# KiCad board Smoothie2Standard.kicad_pcb
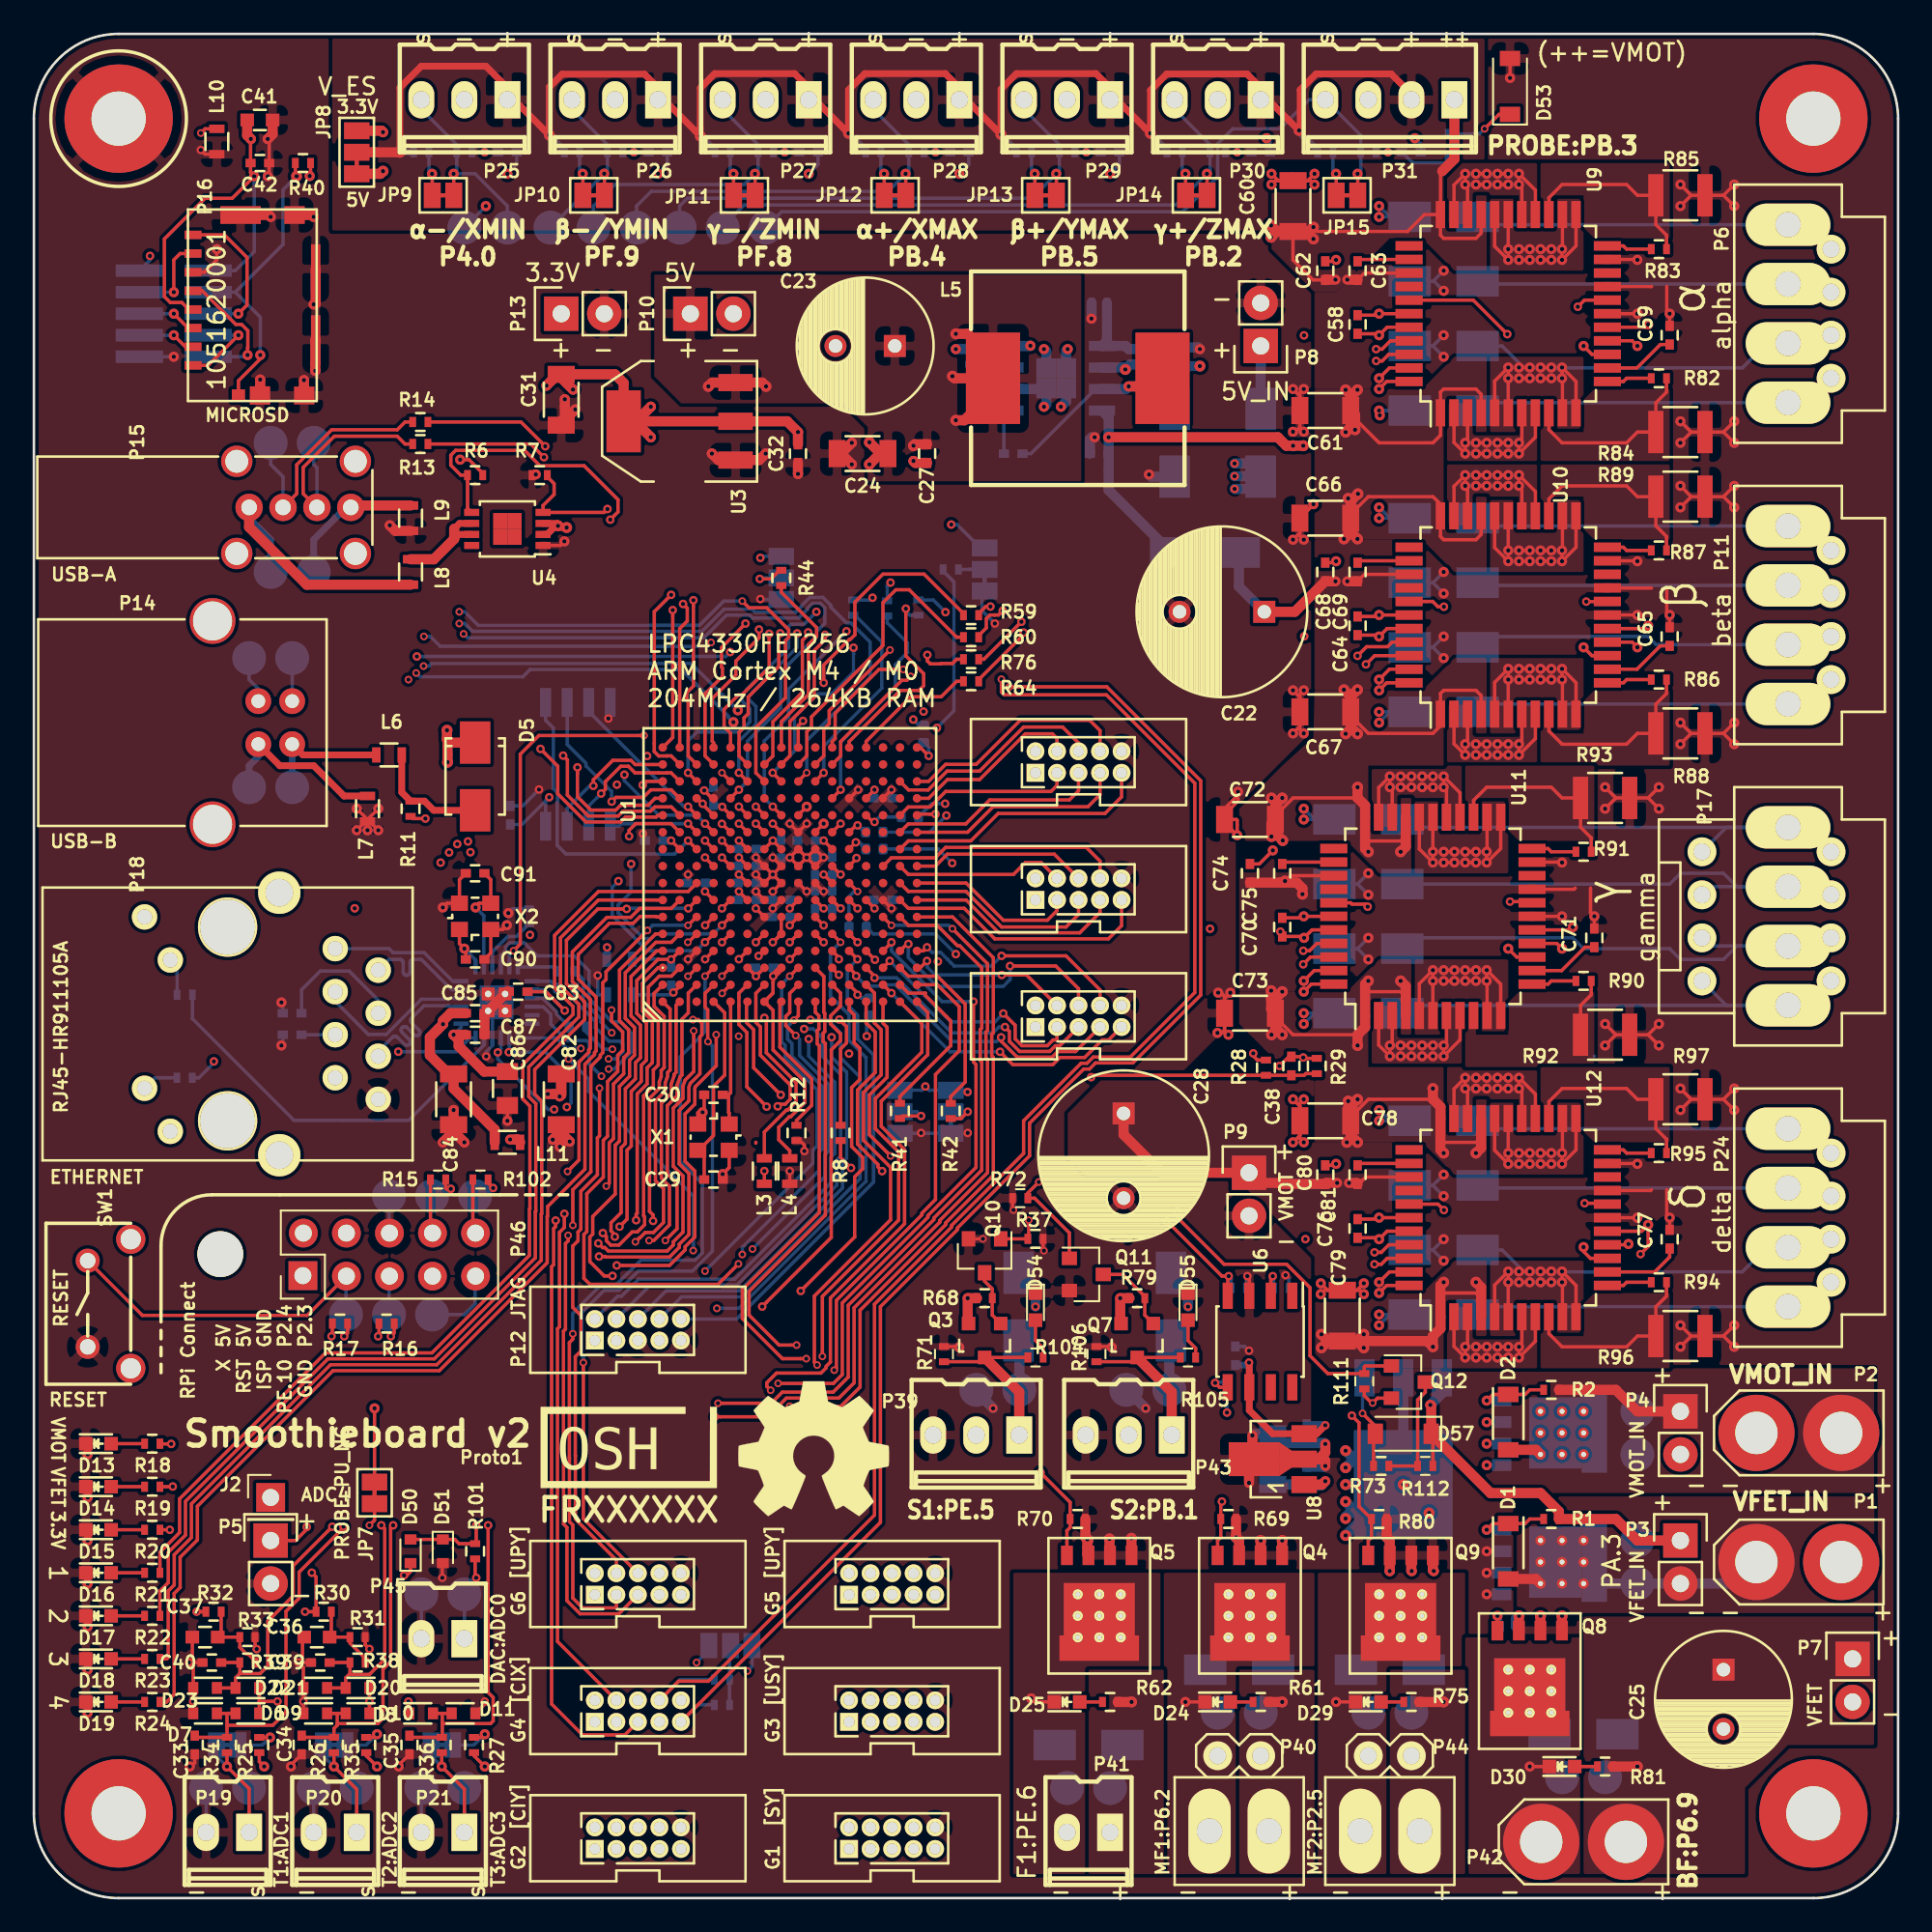
[diagram p0: board, top side]
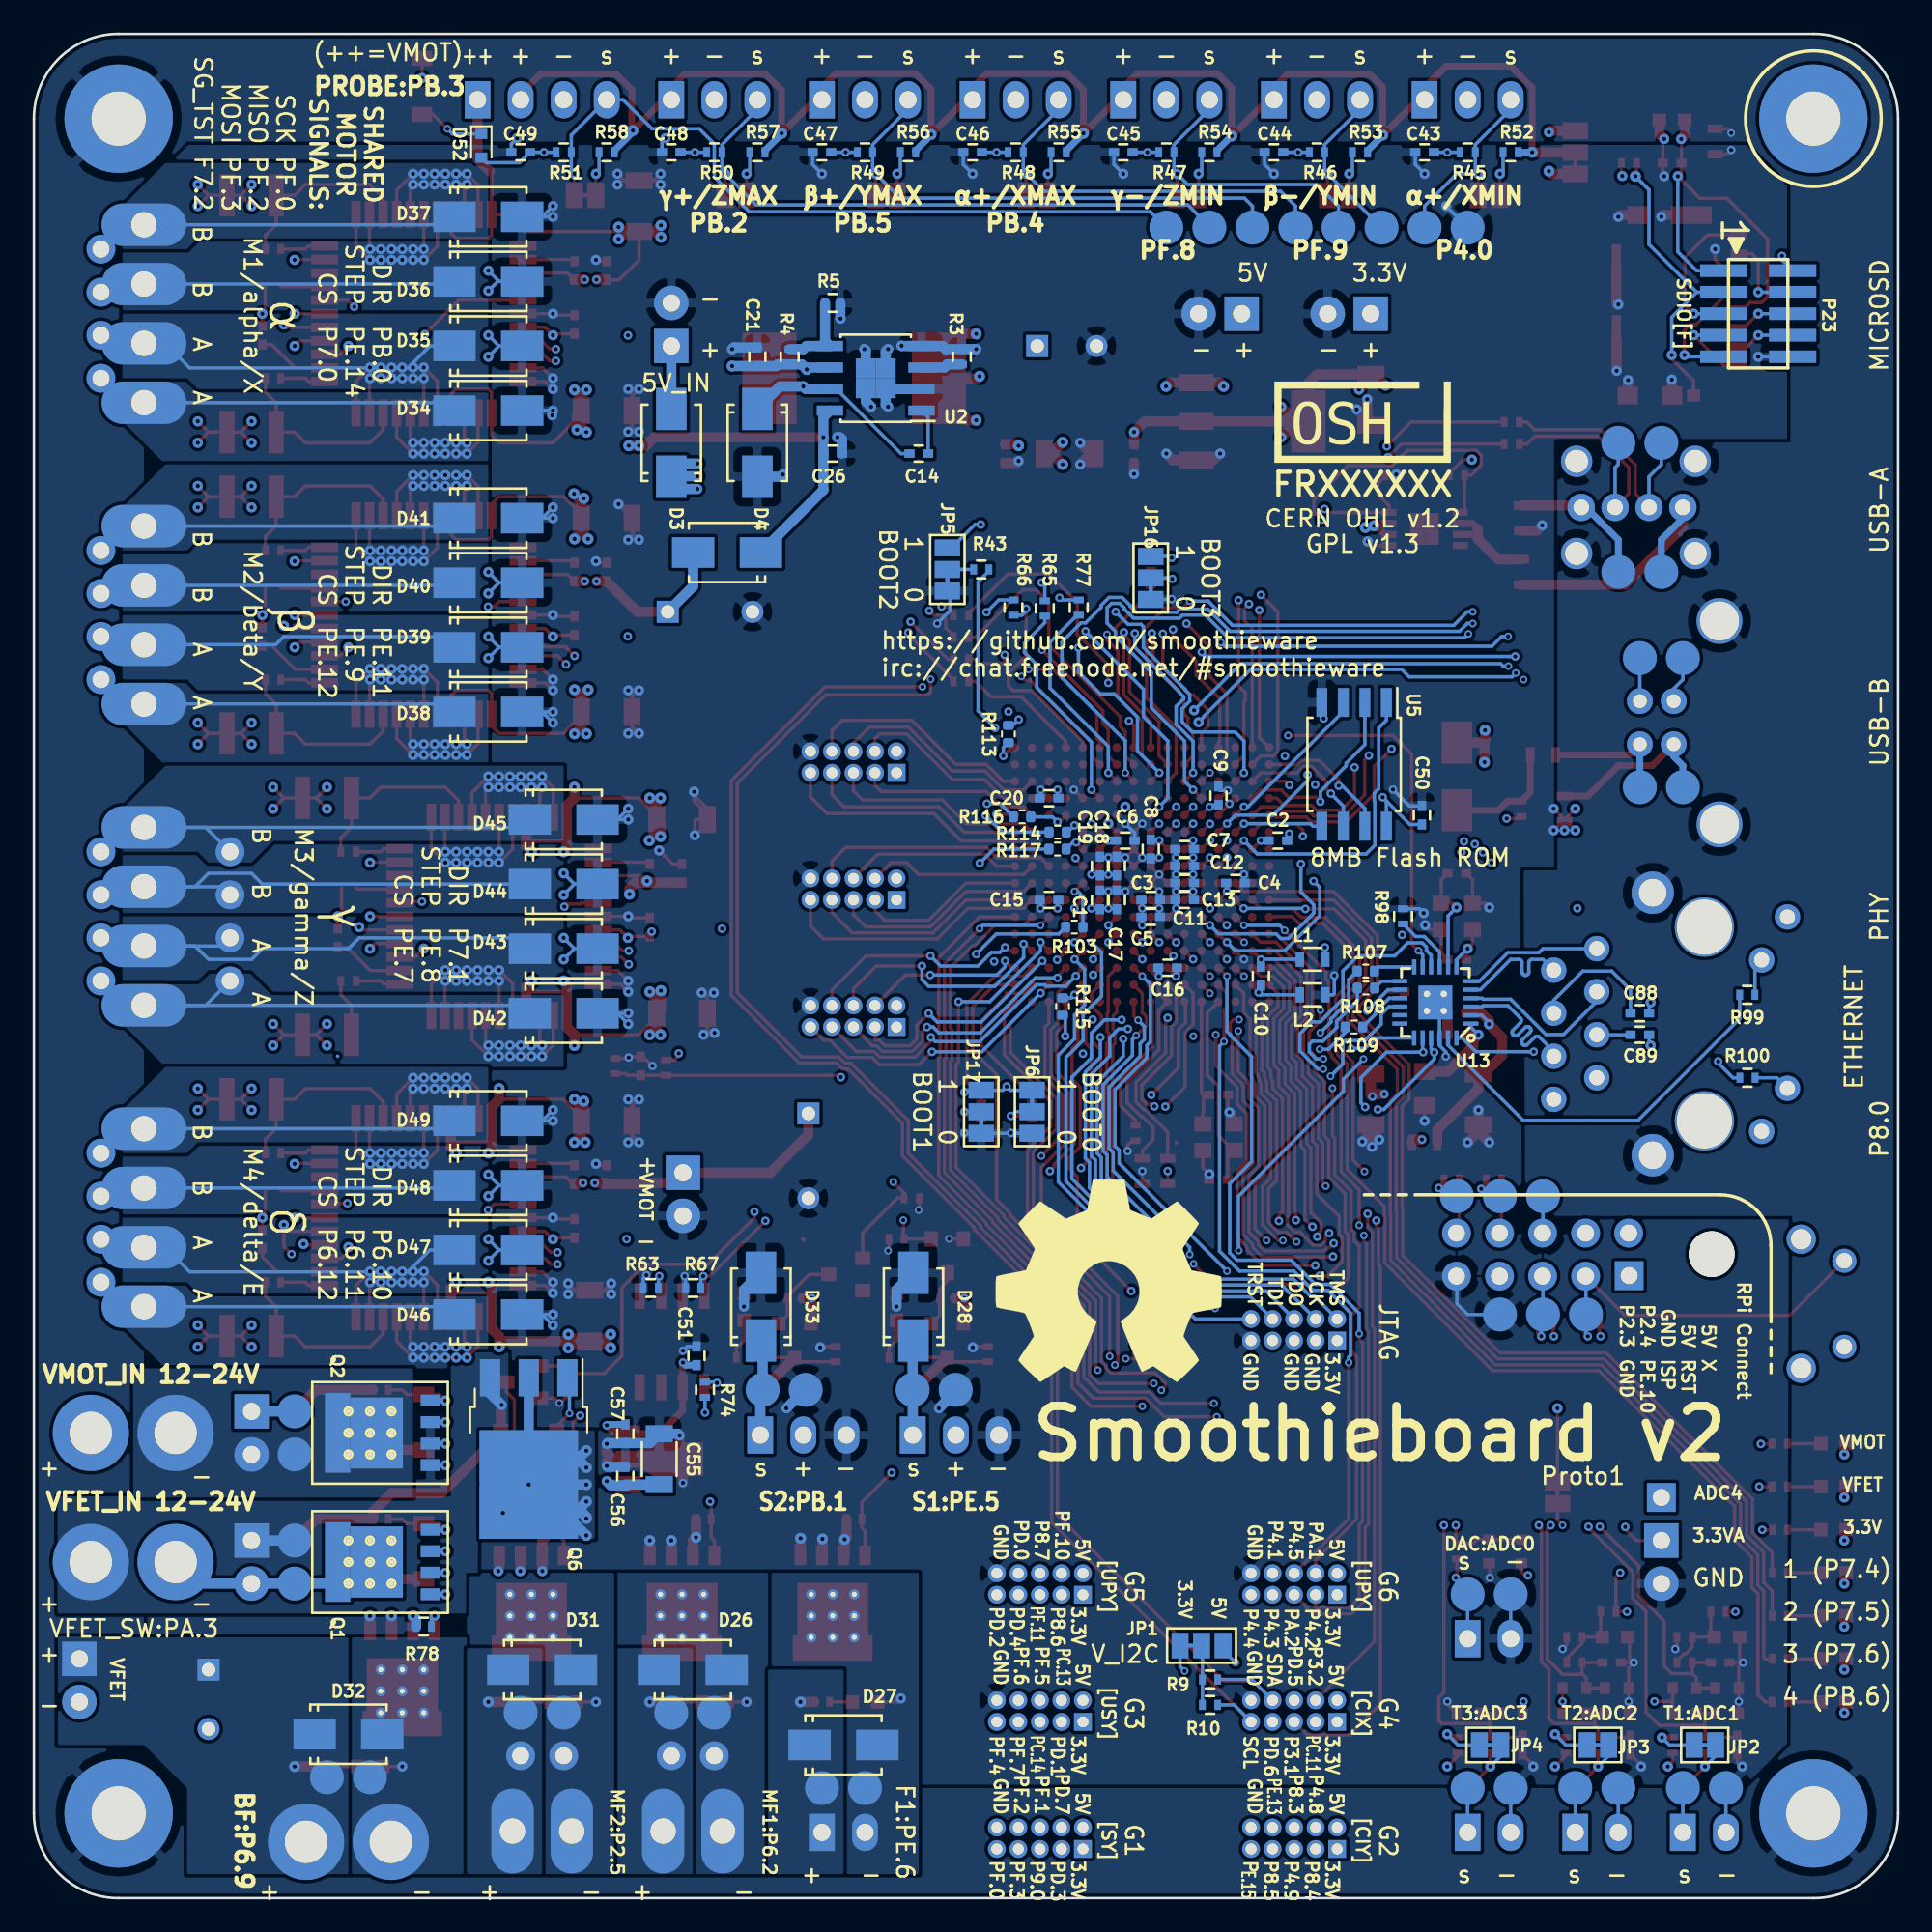
[diagram p1: board, bottom side, seen from below]

Outline 110 x 110 mm; copper layers: Top, In1.Cu (plane), In2.Cu (plane), In3.Cu, In4.Cu, In5.Cu (plane), In6.Cu (plane), Bottom. Coordinates in mm from the lower left corner of the outline.
Outline path: 0,105 arc(1.46,108.54) 5,110 105,110 arc(108.54,108.54) 110,105 110,5 arc(108.54,1.46) 105,0 5,0 arc(1.46,1.46) 0,5 0,105

## Placement (name value [footprint] x y rotation side)
C1  0.1uF  [C_0402]  47.1 58.9 90 bottom
C2  0.1uF  [C_0402]  36.6 62.4 180 bottom
C3  0.1uF  [C_0402]  44.1 58.9 180 bottom
C4  0.1uF  [C_0402]  39.1 59.9 180 bottom
C5  0.1uF  [C_0402]  44.1 57.9 180 bottom
C6  0.1uF  [C_0402]  45.6 62.4 180 bottom
C7  0.1uF  [C_0402]  42.1 61.9 0 bottom
C8  0.1uF  [C_0402]  44.1 61.9 270 bottom
C9  0.1uF  [C_0402]  40.1 65.05 90 bottom
C10  0.1uF  [C_0402]  37.6 54.4 270 bottom
C11  0.1uF  [C_0402]  42.1 58.9 0 bottom
C12  0.1uF  [C_0402]  42.1 60.9 0 bottom
C13  0.1uF  [C_0402]  42.1 59.9 0 bottom
C14  0.01uF  [C_0402]  57.79 85.24 180 bottom
C15  0.1uF  [C_0402]  50.1 58.9 0 bottom
C16  0.1uF  [C_0402]  43.1 54.9 0 bottom
C17  0.1uF  [C_0402]  46.1 58.9 90 bottom
C18  0.1uF  [C_0402]  46.1 60.9 90 bottom
C19  0.1uF  [C_0402]  47.1 60.9 90 bottom
C20  0.1uF  [C_0402]  50.1 64.9 0 bottom
C21  0.1uF  [C_0402]  67.31 90.95 90 bottom
C22  330uF 50V  [C_Radial_D10_L16_P5]  72.6 75.9 180 top
C23  100uF  [C_Radial_D8_L11.5_P3.5]  50.8 91.59 180 top
C24  10uF  [C_1206]  48.9 85.24 180 top
C25  100uF 50V  [C_Radial_D8_L11.5_P3.5]  99.69 13.48 270 top
C26  0.1uF  [C_0402]  62.87 85.24 180 bottom
C27  0.1uF  [C_0402]  52.71 85.24 270 top
C28  330uF 50V  [C_Radial_D10_L16_P5]  64.3 46.3 270 top
C29  18pF  [C_0402]  40.1 42.4 180 top
C30  18pF  [C_0402]  40.1 47.4 0 top
C31  10uF  [C_1206]  31.12 88.41 270 top
C32  0.1uF  [C_0402]  45.09 85.24 270 top
C33  0.1uF  [C_0402]  9.49 9.04 270 top
C34  0.1uF  [C_0402]  15.8 9.04 270 top
C35  0.1uF  [C_0402]  22.16 9.04 270 top
C36  1uF  [C_0603]  16.7 15.4 180 top
C37  1uF  [C_0603]  10.1 15.4 180 top
C38  0.1uF  [C_0402]  74.2 49.1 90 top
C39  0.1uF  [C_0402]  16.9 13.9 180 top
C40  0.1uF  [C_0402]  10.5 13.9 180 top
C41  1uF  [C_0603]  13.34 104.92 0 top
C42  0.1uF  [C_0402]  13.34 102.38 0 top
C43  0.1uF  [C_0402]  27.94 103.02 0 bottom
C44  0.1uF  [C_0402]  36.83 103.02 0 bottom
C45  0.1uF  [C_0402]  45.72 103.02 0 bottom
C46  0.1uF  [C_0402]  54.61 103.02 0 bottom
C47  0.1uF  [C_0402]  63.5 103.02 0 bottom
C48  0.1uF  [C_0402]  72.39 103.02 0 bottom
C49  0.1uF  [C_0402]  81.28 103.02 0 bottom
C50  0.1uF  [C_0402]  28.1 63.9 90 bottom
C51  0.1uF  [C_0402]  70.9 32 90 bottom
C55  10uF  [C_1206]  73.1 25.9 90 bottom
C56  0.1uF  [C_0402]  75.1 24.9 90 bottom
C57  0.1uF  [C_0402]  75.1 27.4 270 bottom
C58  0.1uF  [C_0402]  78.1 92.86 90 top
C59  0.47uF  [C_0402]  96.52 92.22 90 top
C60  10uF  [C_1206]  74.29 99.84 90 top
C61  10uF  [C_1206]  76.2 87.78 180 top
C62  0.1uF  [C_0402]  76.2 96.03 90 top
C63  0.22uF  [C_0402]  78.1 96.03 90 top
C64  0.1uF  [C_0402]  78.1 75.08 90 top
C65  0.47uF  [C_0402]  96.52 74.44 90 top
C66  10uF  [C_1206]  76.2 81.43 180 top
C67  10uF  [C_1206]  76.2 70 180 top
C68  0.1uF  [C_0402]  76.2 78.25 90 top
C69  0.22uF  [C_0402]  78.1 78.25 90 top
C70  0.1uF  [C_0402]  73.66 57.3 90 top
C71  0.47uF  [C_0402]  92.07 56.66 90 top
C72  10uF  [C_1206]  71.75 63.65 180 top
C73  10uF  [C_1206]  71.75 52.22 180 top
C74  0.1uF  [C_0402]  71.75 60.47 90 top
C75  0.22uF  [C_0402]  73.66 60.47 90 top
C76  0.1uF  [C_0402]  78.1 39.52 90 top
C77  0.47uF  [C_0402]  96.52 38.88 90 top
C78  10uF  [C_1206]  76.2 45.87 180 top
C79  10uF  [C_1206]  77.21 34.37 90 top
C80  0.1uF  [C_0402]  76.2 42.69 90 top
C81  0.22uF  [C_0402]  78.1 42.69 90 top
C82  22uF  [C_1206]  31.12 47.14 270 top
C83  0.1uF  [C_0402]  28.58 53.48 180 top
C84  22uF  [C_1206]  24.77 47.14 270 top
C85  0.1uF  [C_0402]  26.04 52.22 0 top
C86  2.2uF  [C_0805]  27.94 47.77 270 top
C87  0.1uF  [C_0402]  26.04 50.95 0 top
C88  0.1uF  [C_0402]  15.24 52.22 180 bottom
C89  0.1uF  [C_0402]  15.24 50.95 180 bottom
C90  18pF  [C_0402]  26.04 55.39 0 top
C91  18pF  [C_0402]  26.04 60.47 180 top
D1  MMSZ4701  [SOD-123]  87 20.47 270 top
D2  MMSZ4701  [SOD-123]  87 28.09 270 top
D3  SK310A  [SMA_Standard]  72.39 85.87 90 bottom
D4  SK310A  [SMA_Standard]  67.31 85.87 270 bottom
D5  SK310A  [SMA_Standard]  26.04 66.19 270 top
D6  1N4148WT  [SOD-523]  12.6 10.9 180 top
D7  1N4148WT  [SOD-523]  10.1 10.9 180 top
D8  1N4148WT  [SOD-523]  19.1 10.9 180 top
D9  1N4148WT  [SOD-523]  16.6 10.9 180 top
D10  1N4148WT  [SOD-523]  22.85 10.9 0 top
D11  1N4148WT  [SOD-523]  25.35 10.9 0 top
D13  RED  [LED_0603]  3.81 26.82 0 top
D14  RED  [LED_0603]  3.81 24.28 0 top
D15  ORANGE  [LED_0603]  3.81 21.73 0 top
D16  GREEN  [LED_0603]  3.81 19.2 0 top
D17  BLUE  [LED_0603]  3.81 16.66 0 top
D18  BLUE  [LED_0603]  3.81 14.12 0 top
D19  GREEN  [LED_0603]  3.81 11.58 0 top
D20  1N4148WT  [SOD-523]  19.1 12.4 180 top
D21  1N4148WT  [SOD-523]  16.6 12.4 180 top
D22  1N4148WT  [SOD-523]  12.6 12.4 180 top
D23  1N4148WT  [SOD-523]  10.1 12.4 180 top
D24  RED  [LED_0603]  69.85 11.58 0 top
D25  RED  [LED_0603]  60.96 11.58 0 top
D26  SK310A  [SMA_Standard]  71.12 13.48 180 bottom
D27  SK310A  [SMA_Standard]  62.23 9.04 180 bottom
D28  SK310A  [SMA_Standard]  58.1 34.9 90 bottom
D29  RED  [LED_0603]  78.74 11.58 0 top
D30  RED  [LED_0603]  90.17 7.77 0 top
D31  SK310A  [SMA_Standard]  80.01 13.48 180 bottom
D32  SK310A  [SMA_Standard]  91.44 9.67 180 bottom
D33  SK310A  [SMA_Standard]  67.1 34.9 90 bottom
D34  TVS  [SMA_Standard]  83.19 87.78 180 bottom
D35  TVS  [SMA_Standard]  83.19 91.59 180 bottom
D36  TVS  [SMA_Standard]  83.19 95.4 180 bottom
D37  TVS  [SMA_Standard]  83.19 99.21 180 bottom
D38  TVS  [SMA_Standard]  83.19 70 180 bottom
D39  TVS  [SMA_Standard]  83.19 73.81 180 bottom
D40  TVS  [SMA_Standard]  83.19 77.62 180 bottom
D41  TVS  [SMA_Standard]  83.19 81.43 180 bottom
D42  TVS  [SMA_Standard]  78.74 52.22 180 bottom
D43  TVS  [SMA_Standard]  78.74 56.03 180 bottom
D44  TVS  [SMA_Standard]  78.74 59.84 180 bottom
D45  TVS  [SMA_Standard]  78.74 63.65 180 bottom
D46  TVS  [SMA_Standard]  83.19 34.44 180 bottom
D47  TVS  [SMA_Standard]  83.19 38.25 180 bottom
D48  TVS  [SMA_Standard]  83.19 42.06 180 bottom
D49  TVS  [SMA_Standard]  83.19 45.87 180 bottom
D50  1N4148WT  [D_SOD-523]  22.23 20.47 90 top
D51  1N4148WT  [D_SOD-523]  24.13 20.47 270 top
D52  1N4148WT  [D_SOD-523]  83.6 103.4 270 bottom
D53  2V ZENER  [D_SOD-123]  87.1 106.9 90 top
D54  RED  [LED_0603#2]  59.1 34.9 270 top
D55  RED  [LED_0603#2]  68.1 34.9 270 top
D56  SK310A  [SMA_Standard]  69.1 79.4 0 bottom
D57  MMSZ4701  [D_SOD-123]  80.8 27.4 180 top
G1  G1[SY]  [Pin_Header_Straight_2x05_Pitch1.27mm_Shrouded]  48.1 2.9 90 top
G2  G2[CIY]  [Pin_Header_Straight_2x05_Pitch1.27mm_Shrouded]  33.1 2.9 90 top
G3  G3[USY]  [Pin_Header_Straight_2x05_Pitch1.27mm_Shrouded]  48.1 10.4 90 top
G4  G4[CIX]  [Pin_Header_Straight_2x05_Pitch1.27mm_Shrouded]  33.1 10.4 90 top
G5  G5[UPY]  [Pin_Header_Straight_2x05_Pitch1.27mm_Shrouded]  48.1 17.9 90 top
G6  G5[UPY]  [Pin_Header_Straight_2x05_Pitch1.27mm_Shrouded]  33.1 17.9 90 top
G7  G7[]  [Pin_Header_Straight_2x05_Pitch1.27mm_Shrouded]  59.1 51.4 90 top
G8  G8[]  [Pin_Header_Straight_2x05_Pitch1.27mm_Shrouded]  59.1 58.9 90 top
G9  G9[]  [Pin_Header_Straight_2x05_Pitch1.27mm_Shrouded]  59.1 66.4 90 top
J2  ADC4  [Pin_Header_Straight_1x01_Pitch2.54mm]  13.97 23.64 0 top
JP1  I2C0_VIO_23  [SJ3-23]  41.1 14.9 0 bottom
JP2  TH1_PU_NC  [SJ2-NC]  11.39 9.04 180 bottom
JP3  TH2_PU_NC  [SJ2-NC]  17.71 9.04 180 bottom
JP4  TH2_PU_NC  [SJ2-NC]  24.07 9.04 180 bottom
JP5  BOOT2-23  [SJ3-23]  56.1 78.4 270 bottom
JP6  BOOT0-12  [SJ3-12]  51.1 46.4 270 bottom
JP7  PROBE_PU_NC  [SJ2-NC]  20.1 23.9 270 top
JP8  ES_VIO_12  [SJ3-12]  19.05 103.02 90 top
JP9  XSTOP_PU_NC  [SJ2-NC]  24.13 100.48 180 top
JP10  YSTOP_PU_NC  [SJ2-NC]  33.02 100.48 180 top
JP11  ZSTOP_PU_NC  [SJ2-NC]  41.91 100.48 180 top
JP12  XSTOP_PU_NC  [SJ2-NC]  50.8 100.48 180 top
JP13  YSTOP_PU_NC  [SJ2-NC]  59.69 100.48 180 top
JP14  ZSTOP_PU_NC  [SJ2-NC]  68.58 100.48 180 top
JP15  PROBE_PU_NC  [SJ2-NC]  77.47 100.48 180 top
JP16  BOOT2-23  [SJ3-23]  44.1 77.9 270 bottom
JP17  BOOT2-23  [SJ3-23]  54.1 46.4 270 bottom
L1  10R FB  [R_0603]  34.55 55.4 0 bottom
L2  10R FB  [R_0603]  34.55 53.3 0 bottom
L3  10R FB  [R_0603]  43.1 42.9 90 top
L4  10R FB  [R_0603]  44.6 42.9 90 top
L5  CDRH127/LDNP-470MC  [Inductor_12.5x12.5mm_SRR1280]  61.6 89.68 180 top
L6  10R FB  [R_0603]  20.95 67.46 180 top
L7  10R FB  [R_0603]  19.69 64.28 90 top
L8  10R FB  [R_0603]  22.23 78.25 270 top
L9  10R FB  [R_0603]  22.23 81.43 90 top
L10  10R FB DNP  [R_0603]  10.8 103.65 90 top
L11  FB  [R_0603]  27.94 44.59 180 top
P1  VFET_IN  [XT30]  104.14 19.83 0 top
P2  VBB_IN  [XT30]  104.14 27.45 0 top
P3  VFET_IN  [Pin_Header_Straight_1x02]  97.16 21.1 0 top
P4  VBB_IN  [Pin_Header_Straight_1x02]  97.16 28.72 0 top
P5  3.3VA  [Pin_Header_Straight_1x02]  13.97 21.1 0 top
P6  ALPHA  [CONN_MOTOR]  106.04 93.49 90 top
P7  VFET  [Pin_Header_Straight_1x02]  107.31 14.12 0 top
P8  5VIN  [Pin_Header_Straight_1x02]  72.39 91.59 180 top
P9  VBB  [Pin_Header_Straight_1x02]  71.7 42.8 0 top
P10  5V  [Pin_Header_Straight_1x02]  38.74 93.49 90 top
P11  BETA  [CONN_MOTOR]  106.04 75.71 90 top
P12  JTAG  [Pin_Header_Straight_2x05_Pitch1.27mm_Shrouded]  33.1 32.9 90 top
P13  3.3V  [Pin_Header_Straight_1x02]  31.12 93.49 90 top
P14  -  [USB_B]  15.24 68.09 180 top
P15  USB_A  [USB_A_Vertical]  12.7 82.06 90 top
P16  MICROSD  [MICROSD-1051620001]  8.89 99.84 270 top
P17  GAMMA  [CONN_MOTOR2]  106.04 57.93 90 top
P18  RJ45-HR911105A  [RJ45-J00-0065NL]  11.43 51.58 90 top
P19  T1  [kk100_22-23-2021]  11.43 3.96 180 top
P20  T2  [kk100_22-23-2021]  17.78 3.96 180 top
P21  T3  [kk100_22-23-2021]  24.13 3.96 180 top
P23  SDIO[F]  [ftsh-105-01-l-dv]  8.26 93.49 270 bottom
P24  DELTA  [CONN_MOTOR]  106.04 40.15 90 top
P25  XMIN  [kk100_22-23-2031]  25.4 106.19 180 top
P26  YMIN  [kk100_22-23-2031]  34.29 106.19 180 top
P27  ZMIN  [kk100_22-23-2031]  43.18 106.19 180 top
P28  XMAX  [kk100_22-23-2031]  52.07 106.19 180 top
P29  YMAX  [kk100_22-23-2031]  60.96 106.19 180 top
P30  ZMAX  [kk100_22-23-2031]  69.85 106.19 180 top
P31  PROBE  [kk100_22-23-2041]  80.01 106.19 180 top
P39  SSR1  [kk100_22-23-2031]  55.6 27.4 180 top
P40  HOTEND1  [CONN_SFET]  71.12 8.4 180 top
P41  FAN  [kk100_22-23-2021]  62.23 3.96 180 top
P42  BED1  [XT30]  91.44 3.32 0 top
P43  SSR2  [kk100_22-23-2031]  64.6 27.4 180 top
P44  HOTEND2  [CONN_SFET]  80.01 8.4 180 top
P45  DAC  [kk100_22-23-2021]  24.13 15.39 180 top
P46  RPI  [Pin_Header_Straight_2x05_Pitch2.54mm]  15.9 36.7 90 top
Q1  PSMN7R0-60YS  [SOT669-LFPAK]  89.53 19.83 90 bottom
Q2  PSMN7R0-60YS  [SOT669-LFPAK]  89.53 27.45 90 bottom
Q3  PMV48XP,215  [SOT-23]  56.1 32.9 180 top
Q4  BUK9Y43-60E  [SOT669-LFPAK]  71.75 17.29 180 top
Q5  BUK9Y43-60E  [SOT669-LFPAK]  62.87 17.29 180 top
Q6  SUD50P04-08-GE3  [TO-252-3_TabPin2]  80.8 26.5 270 bottom
Q7  PMV48XP,215  [SOT-23]  65.1 32.9 180 top
Q8  PSMN7R0-60YS  [SOT669-LFPAK]  88.27 12.84 180 top
Q9  BUK9Y43-60E  [SOT669-LFPAK]  80.65 17.29 180 top
Q10  BSS138  [SOT-23#2]  56.1 37.9 270 top
Q11  BSS138  [SOT-23#2]  62.1 36.8 0 top
Q12  BSS138  [SOT-23#2]  81.1 30.45 0 top
R1  10K  [R_0402]  89.53 22.37 0 top
R2  10K  [R_0402]  89.53 29.99 0 top
R3  47.5K  [R_0402]  55.24 90.95 90 bottom
R4  10.5K  [R_0402]  65.41 90.95 270 bottom
R5  2K  [R_0402]  62.87 94.12 180 bottom
R6  10K  [R_0402]  26.04 83.97 180 top
R7  10K  [R_0402]  29.84 83.97 0 top
R8  10K  [R_0402]  47.6 45.15 90 top
R9  2.2K  [R_0402]  40.6 12.9 180 bottom
R10  2.2K  [R_0402]  40.6 11.4 180 bottom
R11  100R  [R_0402]  22.23 64.28 270 top
R12  12.1K 1%  [R_0402]  45 45.15 90 top
R13  33R 2%  [R_0402]  22.8 85.8 180 top
R14  33R 2%  [R_0402]  22.8 87.1 180 top
R15  470R  [R_0402]  23.85 42.4 180 top
R16  10K  [R_0402]  20.81 33.9 0 top
R17  10K  [R_0402]  18.06 33.9 0 top
R18  8.2K  [R_0402]  6.98 26.82 180 top
R19  8.2K  [R_0402]  6.98 24.28 180 top
R20  330R  [R_0402]  6.98 21.73 180 top
R21  330R  [R_0402]  6.98 19.2 180 top
R22  330R  [R_0402]  6.98 16.66 180 top
R23  330R  [R_0402]  6.98 14.12 180 top
R24  330R  [R_0402]  6.98 11.58 180 top
R25  4.7K  [R_0402]  13.3 9.04 90 top
R26  4.7K  [R_0402]  19.61 9.04 90 top
R27  4.7K  [R_0402]  25.97 9.04 90 top
R28  4.7K  [R_0402]  72.7 49 270 top
R29  TH100K  [R_0402]  75.7 49.1 270 top
R30  4.7K  [R_0402]  17.1 16.9 0 top
R31  470R  [R_0402]  19.1 15.4 180 top
R32  4.7K  [R_0402]  10.6 16.9 0 top
R33  470R  [R_0402]  12.6 15.4 180 top
R34  4.7K  [R_0402]  11.39 9.04 270 top
R35  4.7K  [R_0402]  17.71 9.04 270 top
R36  4.7K  [R_0402]  24.07 9.04 270 top
R37  10K  [R_0402]  59.1 38.9 180 top
R38  4.7K  [R_0402]  19.1 13.9 180 top
R39  4.7K  [R_0402]  12.6 13.9 180 top
R40  10K  [R_0402]  15.88 102.38 0 top
R41  10K  [R_0402]  51.1 46.45 270 top
R42  10K  [R_0402]  54.1 46.45 270 top
R43  10K  [R_0402]  54.1 78.4 0 bottom
R44  10K  [R_0402]  44.1 77.9 90 top
R45  4.7K  [R_0402]  25.4 103.02 180 bottom
R46  4.7K  [R_0402]  34.29 103.02 180 bottom
R47  4.7K  [R_0402]  43.18 103.02 180 bottom
R48  4.7K  [R_0402]  52.07 103.02 180 bottom
R49  4.7K  [R_0402]  60.96 103.02 180 bottom
R50  4.7K  [R_0402]  69.85 103.02 180 bottom
R51  4.7K  [R_0402]  78.74 103.02 180 bottom
R52  4.7K  [R_0402]  22.86 103.02 180 bottom
R53  4.7K  [R_0402]  31.75 103.02 180 bottom
R54  4.7K  [R_0402]  40.64 103.02 180 bottom
R55  4.7K  [R_0402]  49.53 103.02 180 bottom
R56  4.7K  [R_0402]  58.42 103.02 180 bottom
R57  4.7K  [R_0402]  67.31 103.02 180 bottom
R58  4.7K  [R_0402]  76.2 103.02 180 bottom
R59  22R  [R_0402]  55.3 75.7 0 top
R60  22R  [R_0402]  55.3 74.4 0 top
R61  8.2K  [R_0402]  72.39 11.58 180 top
R62  8.2K  [R_0402]  63.5 11.58 180 top
R63  10K  [R_0402]  73.6 36 0 bottom
R64  22R  [R_0402]  55.3 71.8 0 top
R65  22R  [R_0402]  50.35 76.1 90 bottom
R66  22R  [R_0402]  52.2 76.15 90 bottom
R67  10K  [R_0402]  71.1 36 0 bottom
R68  10K  [R_0402]  56.1 35.4 0 top
R69  10K  [R_0402]  70.49 22.37 180 top
R70  10K  [R_0402]  61.6 22.37 180 top
R71  10K  [R_0402]  53.7 32.1 270 top
R72  10K  [R_0402]  58.2 41.3 0 top
R73  10K  [R_0402]  79.5 25.5 0 top
R74  22R  [R_0402]  70.4 30 270 bottom
R75  8.2K  [R_0402]  81.28 11.58 180 top
R76  22R  [R_0402]  55.3 73.1 0 top
R77  22R  [R_0402]  48.35 76.15 90 bottom
R78  10K  [R_0402]  87 16.02 180 bottom
R79  10K  [R_0402]  65.1 35.4 0 top
R80  10K  [R_0402]  79.38 22.37 180 top
R81  8.2K  [R_0402]  92.71 7.77 0 top
R82  10R  [R_0402]  95.88 89.68 0 top
R83  10R  [R_0402]  95.88 97.3 0 top
R84  0.075R  [R_1210]  97.16 86.5 0 top
R85  0.075R  [R_1210]  97.16 100.48 0 top
R86  10R  [R_0402]  95.88 71.9 0 top
R87  10R  [R_0402]  95.88 79.52 0 top
R88  0.075R  [R_1210]  97.16 68.73 0 top
R89  0.075R  [R_1210]  97.16 82.7 0 top
R90  10R  [R_0402]  91.44 54.12 0 top
R91  10R  [R_0402]  91.44 61.74 0 top
R92  0.075R  [R_1210]  92.71 50.95 0 top
R93  0.075R  [R_1210]  92.71 64.92 0 top
R94  10R  [R_0402]  95.88 36.34 0 top
R95  10R  [R_0402]  95.88 43.96 0 top
R96  0.075R  [R_1210]  97.16 33.17 0 top
R97  0.075R  [R_1210]  97.16 47.14 0 top
R98  6.49K 1%  [R_0402]  29.21 57.93 270 bottom
R99  330R  [R_0402]  8.9 53.3 180 bottom
R100  330R  [R_0402]  8.89 48.41 180 bottom
R101  4.7K  [R_0402]  26.04 20.47 270 top
R102  470R  [R_0402]  26.35 42.4 180 top
R103  33R  [R_0402_1005Metric]  48.61 57.3 0 bottom
R104  680R  [R_0402]  59.1 31.9 180 top
R105  680R  [R_0402]  68.1 31.9 180 top
R106  10K  [R_0402]  62.7 32.1 270 top
R107  33R  [R_0402_1005Metric]  31.41 54.7 180 bottom
R108  33R  [R_0402_1005Metric]  31.4 53.7 180 bottom
R109  33R  [R_0402_1005Metric]  32.1 51.4 180 bottom
R111  10K  [R_0402]  78.5 30.5 90 top
R112  10K  [R_0402]  82.1 25.5 180 top
R113  33R  [R_0402_1005Metric]  52.5 68.69 90 bottom
R114  33R  [R_0402_1005Metric]  49.59 62.9 0 bottom
R115  33R  [R_0402_1005Metric]  49.3 52.61 270 bottom
R116  33R  [R_0402_1005Metric]  51.69 63.8 0 bottom
R117  33R  [R_0402_1005Metric]  49.6 61.9 0 bottom
SW1  RESET  [Switch_KSx0V_RA_Pushbutton]  5.71 35.07 270 top
U1  LPC43xxFET256  [BGA-256]  44.61 60.39 90 top
U2  A8498  [SOIC-8-1EP_3.9x4.9mm_Pitch1.27mm]  60.32 89.68 0 bottom
U3  LM1117S33  [SOT-223]  38.1 87.14 90 top
U4  AP2511  [MSOP-8-1EP_3x3mm_Pitch0.65mm]  27.94 80.79 180 top
U5  SPI_FLASH  [SOIJ-8_5.3x5.3mm_Pitch1.27mm]  32.1 66.9 270 bottom
U6  TC4427A  [SOIC-8_3.9x4.9mm_Pitch1.27mm]  72.35 32.84 270 top
U8  78L12F  [SOT89-3_Housing]  73.1 25.9 90 top
U9  TMC2660  [LQFP-44_10x10mm_Pitch0.8mm]  87 93.49 90 top
U10  TMC2660  [LQFP-44_10x10mm_Pitch0.8mm]  87 75.71 90 top
U11  TMC2660  [LQFP-44_10x10mm_Pitch0.8mm]  82.55 57.93 90 top
U12  TMC2660  [LQFP-44_10x10mm_Pitch0.8mm]  87 40.15 90 top
U13  KSZ8081RNA  [QFN24_4x4mm_0.5mmPitch]  27.3 52.85 0 bottom
W1  T_VFET_IN  [TP]  94.62 21.1 0 bottom
W2  T_GND_VFET_IN  [TP]  94.62 18.56 0 bottom
W3  T_VBB_IN  [TP]  94.62 28.72 90 bottom
W4  T_GND_VBB_IN  [TP]  94.62 26.18 90 bottom
W5  T_USB0_D-  [TP]  12.7 73.17 0 bottom
W6  T_USB0_D+  [TP]  15.24 73.17 0 bottom
W7  T_USB1_D-  [TP]  16.51 85.87 0 bottom
W8  T_USB1_D+  [TP]  13.97 85.87 0 bottom
W9  T_5VU0  [TP]  15.24 65.55 0 bottom
W10  T_GNDU0  [TP]  12.7 65.55 0 bottom
W11  T_5VU1  [TP]  13.97 78.25 0 bottom
W12  T_GNDU1  [TP]  16.51 78.25 0 bottom
W13  MH  [MountingHole_2.7mm_M2.5]  11 38 0 top
W14  T_ISP  [TP]  20.95 34.44 0 bottom
W15  T_RESET  [TP]  18.41 34.44 0 bottom
W16  T_GND_PROG  [TP]  23.5 34.44 0 bottom
W17  T_TH1  [TP]  12.7 6.5 0 bottom
W18  T_TH2  [TP]  19.05 6.5 0 bottom
W19  T_TH3  [TP]  25.4 6.5 0 bottom
W20  T_RXD0  [TP]  23.5 41.42 0 bottom
W21  T_TXD0  [TP]  26.04 41.42 0 bottom
W22  T_GND_TH1  [TP]  10.16 6.5 0 bottom
W23  T_GND_TH2  [TP]  16.51 6.5 0 bottom
W24  T_GND_TH3  [TP]  22.86 6.5 0 bottom
W25  T_GND_UART0  [TP]  20.95 41.42 0 bottom
W26  T_XMIN  [TP]  27.94 98.57 0 bottom
W27  T_YMIN  [TP]  30.48 98.57 0 bottom
W28  T_ZMIN  [TP]  33.02 98.57 0 bottom
W29  T_XMAX  [TP]  35.56 98.57 0 bottom
W30  T_YMAX  [TP]  38.1 98.57 0 bottom
W31  T_ZMAX  [TP]  40.64 98.57 0 bottom
W32  T_PROBE  [TP]  43.18 98.57 0 bottom
W33  T_GND_STOP  [TP]  25.4 98.57 0 bottom
W34  T_SSR1  [TP]  58.15 29.99 0 bottom
W35  T_GND_SSR1  [TP]  55.61 29.99 0 bottom
W36  T_VFET_HOTEND1  [TP]  72.39 10.94 0 bottom
W37  T_HOTEND1  [TP]  69.85 10.94 0 bottom
W38  T_VFET_FAN  [TP]  63.5 6.5 0 bottom
W39  T_FAN  [TP]  60.96 6.5 0 bottom
W40  MH  [MountingHole_3.2mm_M3_Pad]  5 105 0 top
W41  OSHW_LOGO  [OSHW-Symbol_8.9x8mm_SilkScreen]  46 26.5 0 top
W42  MH  [MountingHole_3.2mm_M3_Pad]  105 105 0 top
W43  MH  [MountingHole_3.2mm_M3_Pad]  5 5 0 top
W44  MH  [MountingHole_3.2mm_M3_Pad]  105 5 0 top